# Altium PCB 电机驱动部分参考布局.PcbDoc (part 1 of 2) (continued)
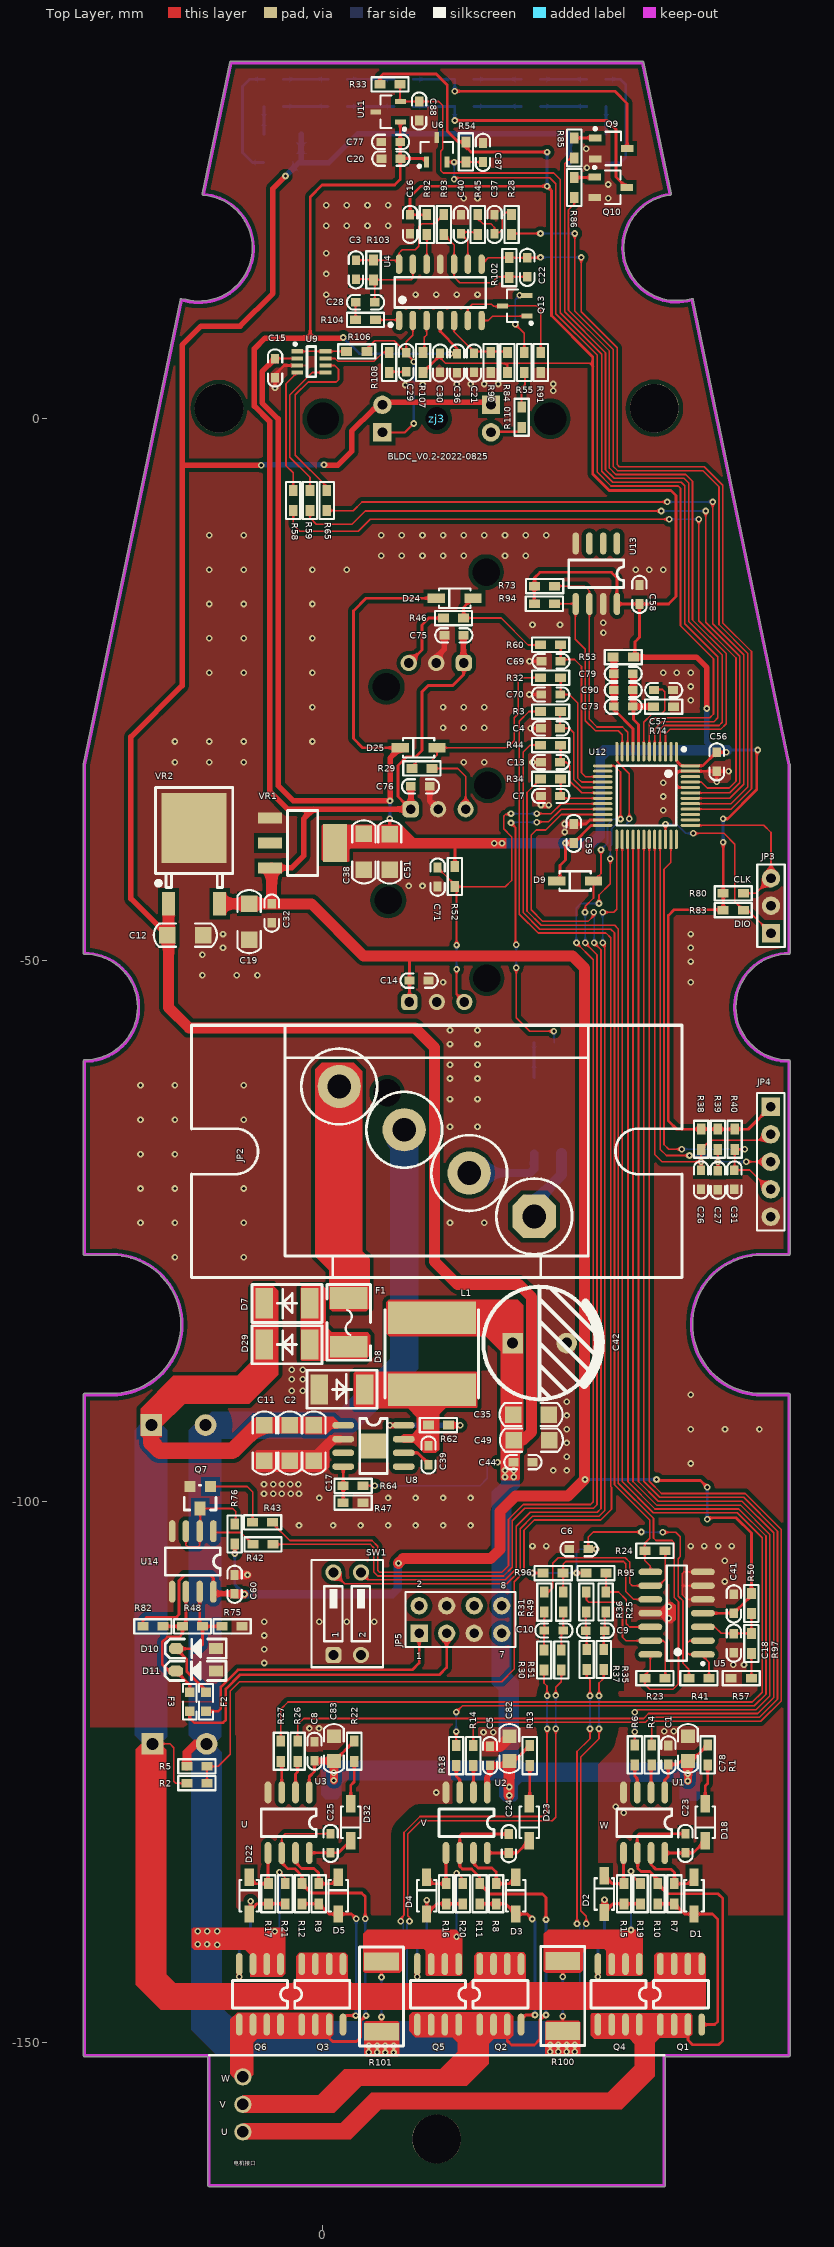
[diagram p0: Top Layer view]
## Footprints (in the part's own frame and the unit in brackets; to place one, negate y for a bottom-side part, rotate by r counter-clockwise, add the part's x,y. Pads: shape width x height; smd on the part's side, far side on the other; paste and mask are expansions set on the pad)
0805_LED_S1 [mm]
  rect 1.16x1.47 smd: A(0.89,0) K(-0.89,0)
  silkscreen extent -2.24,-1.04 1.77,1.03, body extent -1.01,-0.63 1.01,0.62, height 1.1
AQY210S [mm]
  oval 0.9x2 smd: 1(-1.27,-3.5) 2(1.27,-3.5) 3(1.27,3.5) 4(-1.27,3.5)
  silkscreen extent -2.54,-3.32 2.35,2.45
"C 0603" [mil] "无极性贴片电容"
  rect 35x30 smd: 1(-35,0) 2(34,0)
  silkscreen extent -67,-26 67,26, body extent -31,-16 31,16, height 32
"C 0805" [mil] "无极性贴片电容"
  rect 50x50 smd: 1(-45,0) 2(45,0)
  silkscreen extent -89,-36 89,36, body extent -39,-24 39,24, height 20
"C 1206" [mil] "无极性贴片电容"
  rect 60x60 smd: 1(-65,0) 2(65,0)
  silkscreen extent -115,-42 115,42, body extent -63,-32 63,32, height 48
"CAP 5.0*10*12.5 - BK" [mm] "脚距5mm直径10mm高度12.5mm"
  rect 1.9x1.9 hole 1: 1(-2.5,0)
  round 1.9 hole 1: 2(2.5,0)
  silkscreen extent -5.2,-5.21 5.64,5.2, body extent -5,-5 5.01,5, height 12.54
"CAP 5.0*12.5*20-H - BK" [mm] "脚距5mm直径12.5mm高度20mm"
  rect 2x2 hole 1.1: 1(-2.5,0)
  round 2 hole 1.1: 2(2.5,0)
  silkscreen extent -6.35,1.27 6.35,21.84, body extent -6.2,-0.3 6.26,21.91, height 12.5
"FU 0603" [mil] "贴片保险丝"
  rect 35x35 smd: 1(-35,0) 2(35,0)
  silkscreen extent -65,-25 65,25, body extent -31,-16 31,16, height 20
"FU 1812" [mm] "贴片保险丝"
  rect 2x3.5 smd: 1(-2.25,0) 2(2.25,0)
  silkscreen extent -3.5,-2 3.5,2, body extent -2.3,-1.61 2.3,1.61, height 0.87
HDR-1X3 [mm] "排针，3脚"
  rect 1.7x1.7 hole 0.9: 1(0,0)
  round 1.7 hole 0.9: 2(2.54,0) 3(5.08,0)
  silkscreen extent -1.27,-1.27 6.35,1.27, body extent -1.27,-1.27 6.35,1.27, height 8.5
HDR-1X5 [mm] "排针，5脚"
  rect 1.7x1.7 hole 0.9: 1(0,0)
  round 1.7 hole 0.9: 2(2.54,0) 3(5.08,0) 4(7.62,0) 5(10.16,0)
  silkscreen extent -1.27,-1.27 11.43,1.27, body extent -1.27,-1.27 11.43,1.27, height 8.5
HDR-4X2 [mm] "双排排针，4x2脚"
  rect 1.6x1.6 hole 0.9: 1(0,0)
  round 1.6 hole 0.9: 2(0,2.54) 3(2.54,0) 4(2.54,2.54) 5(5.08,0) 6(5.08,2.54) 7(7.62,0) 8(7.62,2.54)
  silkscreen extent -1.27,-1.27 8.89,3.81, body extent -1.27,-1.27 8.89,3.81, height 8.5
HEZJ [mm]
  round 0 hole 2.54: 0(2.06,-8.4) 1(-7.14,2.2)
  rrect50% 1.5x1.5 hole 0.9: 1(0,0)
  round 1.5 hole 0.9: 2(-2.54,0) 3(-5.08,0)
  silkscreen extent -7.84,-9 2.76,2.9
hwzj [mm]
  round 0 hole 3: 5(-10.5,0) 7(10.5,0)
  round 0 hole 2.1: 6(0,0)
KF3P [mm]
  round 1.6 hole 1.05: 1(-2.54,0) 2(0,0) 3(2.54,0)
  silkscreen extent -3.81,-12.8 3.81,-1.5
L8040 [mm]
  rect 3.024x8.12 smd: 1(3.328,0) 2(-3.328,0)
  silkscreen extent -4.08,-4.32 4.08,4.32
"LED 3MM-Y" [mm] "黄色3mm直插LED"
  rect 1.7x1.7 hole 0.9: 1(-1.27,0)
  round 1.7 hole 0.9: 2(1.27,0)
  silkscreen extent -2.01,-2 1.72,1.98, body extent -1.95,-1.95 1.64,1.95, height 5.55
LQFP-48_7x7x05P [mm]
  oval 0.28x1.8 smd mask+0.051: 1(-2.75,-4.05) 2(-2.25,-4.05) 3(-1.75,-4.05) 4(-1.25,-4.05) 5(-0.75,-4.05) 6(-0.25,-4.05) 7(0.25,-4.05) 8(0.75,-4.05) 9(1.25,-4.05) 10(1.75,-4.05) 11(2.25,-4.05) 12(2.75,-4.05) 25(2.75,4.05) 26(2.25,4.05) 27(1.75,4.05) 28(1.25,4.05) 29(0.75,4.05) 30(0.25,4.05) 31(-0.25,4.05) 32(-0.75,4.05) 33(-1.25,4.05) 34(-1.75,4.05) 35(-2.25,4.05) 36(-2.75,4.05)
  oval 1.8x0.28 smd mask+0.051: 13(4.05,-2.75) 14(4.05,-2.25) 15(4.05,-1.75) 16(4.05,-1.25) 17(4.05,-0.75) 18(4.05,-0.25) 19(4.05,0.25) 20(4.05,0.75) 21(4.05,1.25) 22(4.05,1.75) 23(4.05,2.25) 24(4.05,2.75) 37(-4.05,2.75) 38(-4.05,2.25) 39(-4.05,1.75) 40(-4.05,1.25) 41(-4.05,0.75) 42(-4.05,0.25) 43(-4.05,-0.25) 44(-4.05,-0.75) 45(-4.05,-1.25) 46(-4.05,-1.75) 47(-4.05,-2.25) 48(-4.05,-2.75)
  silkscreen extent -3.6,-4.42 2.75,2.75, body extent -4.5,-4.5 4.5,4.5, height 1.6
"R 0603" [mil] "1/10W贴片电阻"
  rect 40x31.5 smd: 1(-36.5,0) 2(36.5,0)
  silkscreen extent -68,-26 68,26, body extent -31,-16 32,16, height 16
"R 1206"#1 [mil] "1/4W贴片电阻"
  rect 60x62.99 smd: 1(-67.5,0) 2(67.5,0)
  silkscreen extent -112,-44 112,44, body extent -63,-31 63,31, height 22
"R 1206"#2 [mil] "1/4W贴片电阻"
  rect 60x63 smd: 1(-67.5,0) 2(67.5,0)
  silkscreen extent -112,-44 112,44, body extent -63,-31 63,31, height 22
"R 2512-HP" [mm] "1W高精度贴片电阻"
  rect 1.65x3.2 smd: 1(-3.24,0) 2(3.24,0)
  silkscreen extent -4.57,-2.03 4.57,2.03, body extent -3.2,-1.6 3.2,1.6, height 0.55
SMA [mil] "DO-214AC(2010)"
  rect 63x110 smd: 1(-8,0) 2(157,0)
  silkscreen extent -53,-68 202,70, body extent -16,-53 166,53, height 94
SOD123 [mm] "1206"
  rect 1.6x0.85 smd: 1(1.7,0) 2(-1.7,0)
  silkscreen extent -1.45,-0.9 1.45,0.9, body extent -1.9,-0.85 1.95,0.85, height 1.42
SOD-123F [mm] "2.7x1.6X1.1mm（长宽高，不包括引脚）"
  rect 1.3x1 smd: 1(-1.85,0)
  oct 1.3x1 smd: 2(1.85,0)
  silkscreen extent -2.79,-0.89 2.84,0.89, body extent -1.9,-0.8 1.9,0.8, height 1.15
SOIC14 [mm]
  oval 2.2x0.6 smd: 1(-2.425,3.81) 2(-2.425,2.54) 3(-2.425,1.27) 4(-2.425,0) 5(-2.425,-1.27) 6(-2.425,-2.54) 7(-2.425,-3.81) 8(2.425,-3.81) 9(2.425,-2.54) 10(2.425,-1.27) 11(2.425,0) 12(2.425,1.27) 13(2.425,2.54) 14(2.425,3.81)
  silkscreen extent -2.55,-4.4 0.93,4.78, body extent -2.9,-4.24 2.9,4.29, height 1.75
SOIC-14_150mil [mm]
  oval 0.6x1.8 smd: 1(-3.81,-2.6) 2(-2.54,-2.6) 3(-1.27,-2.6) 4(0,-2.6) 5(1.27,-2.6) 6(2.54,-2.6) 7(3.81,-2.6) 8(3.81,2.6) 9(2.54,2.6) 10(1.27,2.6) 11(0,2.6) 12(-1.27,2.6) 13(-2.54,2.6) 14(-3.81,2.6)
  silkscreen extent -4.75,-3.15 4.2,1.4
SOP8 [mil]
  oval 80x24 smd: 1(-1,-1) 2(-1,-51) 3(-1,-101) 4(-1,-151) 5(219,-151) 6(219,-101) 7(219,-51) 8(219,-1)
  silkscreen extent 59,-176 159,24, body extent -9,-174 229,24, height 63
SOP8-9 [mil]
  oval 80x24 smd: 1(-15,35) 2(-15,-15) 3(-15,-65) 4(-15,-115) 5(205,-115) 6(205,-65) 7(205,-15) 8(205,35)
  rect 90.55x90.55 smd: 9(95,-40)
  silkscreen extent 45,-140 145,60, body extent -24,-139 214,59, height 63
SOT23-3L [mm] "3x1.3x1mm(长宽高)"
  rect 0.45x1 smd: 1(-0.95,-1.143) 2(0.95,-1.143) 3(0,1.125)
  silkscreen extent -1.72,-1.65 1.5,0.7, body extent -1.5,-1.2 1.5,1.2, height 1.05
SOT-23 [mil]
  rect 40x40 smd: 1(4.88,0.63) 2(79.88,0.63)
  rect 40x50 smd: 3(41.88,80.63)
  silkscreen extent -15,-4 100,86, body extent -15,-11 99,99, height 47
SOT-23-3L [mm] "http://www.aosmd.com/res/packaging_information/SOT-23-3L.pdf"
  rect 1.15x0.65 smd: 1(1.475,-0.95) 2(1.475,0.95) 3(-1.475,0)
  silkscreen extent -0.9,-1.95 1.6,1.55, body extent -0.9,-1.55 0.9,1.55, height 1.25
SOT-23-8 [mm]
  rect 1.1x0.4 smd mask+0.051: 1(1.3,-0.975) 2(1.3,-0.325) 3(1.3,0.325) 4(1.3,0.975) 5(-1.3,0.975) 6(-1.3,0.325) 7(-1.3,-0.325) 8(-1.3,-0.975)
  silkscreen extent -0.4,-1.77 1.62,1.37
SOT-223 [mm]
  rect 2.2x1 smd: 1(3,-2.3) 2(3,0) 3(3,2.3)
  rect 2.2x3.5 smd: 2(-3,0)
  silkscreen extent -1.4,-3 1.4,3, body extent -3.49,-3.24 3.49,3.24, height 1.64
SW-2P [mm]
  rrect50% 1.5x1.5 hole 0.9: 1(-1.27,-3.81)
  round 1.5 hole 0.9: 2(1.27,-3.81) 3(1.27,3.81) 4(-1.27,3.81)
  silkscreen extent -3.3,-4.95 3.3,4.95, body extent -3.27,-4.95 3.27,4.95, height 6.8
TO-252-2-180 [mm] "180度编带包装"
  rect 2.2x1.2 smd: 1(0,2.361) 3(0.004,-2.361)
  rect 6.5x6 smd: 2(7,0)
  silkscreen extent 1.5,-3.57 10.75,3.57, body extent -0.2,-3.27 9.74,3.27, height 2.44
大电流4P [mm]
  oct 4x4 hole 2.2: 1(0,0)
  round 4 hole 2.2: 2(6,-4) 3(12,-8) 4(18,-12)
  silkscreen extent -13.65,-17.67 31.65,5.65

## Part data
C1 C4 C5 C6 C7 C8 C9 C10 C13 C18 C26 C27 C31 C32 C37 C38 C39 C40 C41 C73 C78 C79 C82 C83 C90: library part Cap
C2 C11 C12 C19 C23 C24 C25 C49 C51: library part Cap, "C89632"
C3 C15 C21 C22 C28 C29 C30 C36: library part C, "贴片电容"
C14 C16 C20 C56 C57 C58 C59 C60 C69 C70 C71 C75 C76 C77 C87 C88: library part Cap, "Capacitor"
C17: library part Cap, "C1945"
C33 C34: library part "Cap Pol1", "Polarized Capacitor (Radial)"
C35: library part Cap, "C1926"
C42: library part "Cap Pol1", "C106715"
C44: library part Cap, "C1591"
D1 D2 D3 D4 D5 D9 D18 D22 D23 D24 D25 D32: library part "SOD-323 1N4148WS T4", "二极管"
D6 D14 D17 D19 D20 D21: library part "0805 红灯", "发光二极管"
D7 D8 D29: library part 1N4148, "高速开关二极管"
D10 D11: library part "SMB/DO-214AA P6SMB6.8CA", "TVS"
D12 D13 D15 D16 D33 D34: library part "0805 翠绿", "发光二极管"
D27 D28: library part "0603 红灯", "发光二极管"
F1: library part FU, "贴片保险丝"
F2 F3: "Fuse"
JP1 JP3 zj1 zj2 zj3 zj4: library part "Header 3", "3P接插件"
JP2: library part "Header 4", "4P接插件"
JP4: library part "Header 5", "5P接插件"
JP5: "4*2P接插件"
L1: library part "0603 10uH 10%", "C223045"
Q1 Q2 Q3 Q4 Q5 Q6: library part NMOS-2, "C190848"
Q7: library part "SOT-23 SS8050 Y1", "三极管"
Q9 Q10: library part "AO3400A N道沟 X0YV1T SOT-23", "MOS(场效应管)"
Q13: library part 44H11, "互补功率-NPN型"
R1 R2 R3 R4 R5 R6 R7 R8 R9 R10 R11 R12 R13 R14 R15 R16 R17 R18 R19 R20 R21 R22 R23 R24 R25 R26 R27 R28 R29 R30 R31 R32 R33 R34 R35 R36 R37 R38 R39 R40 R41 R42 R43 R44 R45 R46 R47 R48 R49 R50 R51 R52 R53 R54 R55 R56 R57 R58 R59 R60 R61 R62 R63 R64 R65 R69 R70 R72 R73 R74 R75 R76 R80 R82 R83 R84 R85 R86 R90 R91 R92 R93 R94 R95 R96 R97 R102 R103 R104 R106 R107 R108 R110: library part Res1, "Resistor"
R100 R101: library part R-I, "电流检测电阻"
SW1: "2路编码开关"
U1 U2 U3: library part NCP5106BDR2G, "C193777"
U4 U5: library part LM324DT_[C71035], "运放"
U7: library part EL357N(B)(TA)-G_[C6649], "贴片光耦"
VR1: library part "SOT-223 AMS1117-3.3", "低压差线性稳压(LDO)"
VR2: library part "TO-252-2 L78M05ABDT-TR", "低压差线性稳压(LDO)"

## Free pads (board coordinates)
  round 4.5 hole 4.5: 0(-9.6,0.96) 0(10.5,-158.87) 0(30.6,0.96)

## Via types
v1: diameter 0.61, hole 0.305, Top Layer to Bottom Layer, 366 vias

## Nets (pads, with @x,y where several pads share a name; then routed paths per layer and width w, separated by ;. In a path a pad name is that pad's centre, name@x,y a point inside that pad or via, vN(x,y) a via of type N, cw(c..) or ccw(c..) an arc to the next point about the centre after c; other vN are vias at no path point)
+1.65V: C6.2 R41.1 R95.1 R96.1 | length 34.3
  Top Layer w0.152: v1(19.345,-106.604) 20.221,-106.604 20.285,-106.541 R96.1@20.323,-106.579 ; v1(23.409,-106.604) R95.1@24.285,-106.604 R95.1@24.298,-106.591 ; v1(25.212,-104.394) C6.2@24.501,-104.394 24.501,-103.277 24.958,-102.82 v1(29.403,-102.82) ; v1(31.385,-102.845) 32.578,-102.845 32.997,-103.264 32.997,-105.083 32.807,-105.273 32.807,-108.738 33.239,-109.17 33.239,-114.948 33.785,-115.494 R41.1@33.785,-116.307
  Bottom Layer w0.152: v1(19.345,-106.604) v1(23.409,-106.604) 23.409,-104.648 23.663,-104.394 v1(25.212,-104.394) v1@25.212,-104.42 ; v1(29.403,-102.82) 29.429,-102.845 v1(31.385,-102.845) 31.385,-103.023 v1@31.359,-103.048
+3.3V: C15.2 C16.1 C30.1 C38.2 C51.2 C56.1 C58.1 C59.1 D9.2 D24.2 D25.2 JP4.1 R33.1 R38.1 R39.1 R40.1 R52.2 R53.1 R54.1 R73.1 R80.2 R83.2 R84.1 R92.2 R94.1 R107.1 U9.2 U12.1 U12.24 U12.48 U13.8 VR1.2 | length 301.2
  Top Layer w0.152: C15.2@-4.429,5.537 -4.409,5.557 U9.2@-2.377,5.557 ; C16.1@8.042,18.822 9.554,18.822 R92.2@9.591,18.859 ; C30.1@10.811,6.019 10.811,5.829 10.811,5.613 11.319,5.105 16.805,5.105 ; R84.1@17.034,4.254 17.034,4.876 16.805,5.105 ; 24.908,4.851 24.654,5.105 16.805,5.105
  Top Layer w0.254: R33.1@5.261,30.861 5.261,31.534 5.553,31.826 10.455,31.826 11.471,30.81 11.471,26.568 12.474,25.565 R54.1@13.198,25.565 13.198,25.069 13.655,24.612 v1(20.691,24.612) ; C51.2@6.162,-38.38 v1(6.162,-36.957) ; D25.2@7.129,-30.404 3.673,-30.404 2.81,-29.541 2.81,-17.755 3.978,-16.587 D24.2@10.457,-16.587 ; C16.1@8.042,18.822 8.042,20.472 9.033,21.463 v1(20.691,21.463) 21.098,21.056 21.098,9.509 24.908,5.699 24.908,4.851 24.908,-5.105 26.432,-6.63 32.121,-6.63 32.604,-7.112 32.604,-16.434 31.918,-17.12 C58.1@29.226,-17.12 ; R107.1@9.236,4.254 C30.1@10.811,5.829 ; R52.2@12.182,-41.364 12.182,-39.269 12.208,-39.243 ; R94.1@19.51,-17.095 19.51,-15.494 R73.1@19.535,-15.469 19.535,-14.694 20.031,-14.199 26.635,-14.199 27.143,-14.707 U13.8@27.143,-17.12 C58.1@29.226,-17.12 ; D9.2@21.582,-42.698 21.885,-42.395 21.885,-41.25 22.393,-40.742 v1(22.393,-39.193) ; C59.1@23.155,-39.193 24.765,-37.583 U12.24@25.828,-37.583 ; R53.1@28.806,-22.022 28.806,-20.612 29.226,-20.193 C58.1@29.226,-17.12 ; U12.1@32.628,-30.762 32.628,-31.597 33.093,-32.062 U12.48@33.928,-32.062 35.061,-32.062 36.312,-30.811 C56.1@36.363,-30.811 v1(37.252,-30.811) ; v1(36.947,-39.116) 36.96,-39.104 R80.2@36.96,-43.841 36.96,-45.352 32.411,-45.352 31.89,-45.873 31.89,-64.844 32.667,-65.621 R38.1@34.915,-65.621 R39.1@36.465,-65.621 R40.1@38.014,-65.621 39.271,-65.621 JP4.1@41.341,-63.551 ; v1(36.947,-36.957) 37.364,-36.957 40.046,-34.276 40.046,-30.709 v1(40.148,-30.607)
  Top Layer w0.508: C15.2@-4.429,5.537 -5.623,4.343 -5.623,1.447 -4.15,-0.026 -4.15,-33.884 -2.728,-35.306 v1(6.188,-35.306) 6.188,-31.346 D25.2@7.129,-30.404 ; VR1.2@1.111,-39.193 VR1.2@1.133,-39.193 ; v1(22.393,-39.193) C59.1@23.155,-39.193 ; R53.1@28.806,-22.022 34.483,-22.022 35.449,-22.987 v1(35.449,-26.772)
  Top Layer w1.016: VR1.2@1.133,-39.193 VR1.2@1.336,-38.989
  Bottom Layer w0.254: v1(6.162,-36.957) 6.188,-36.932 v1(6.188,-35.306) ; v1(20.691,21.463) v1(20.691,24.612) ; v1(36.947,-39.116) v1(36.947,-36.957) ; v1(37.252,-30.811) 37.455,-30.607 v1(40.148,-30.607)
  Bottom Layer w0.508: v1(35.449,-26.772) 35.449,-29.896 35.957,-30.404
  other v1: 15.814,-39.218 16.526,-39.218
+5V: C14.1 C19.2 C20.1 C32.2 C36.2 C41.2 C60.1 C75.1 C76.1 C77.1 R50.1 R76.1 R82.2 U4.4 U5.4 U6.1 U11.1 U14.8 VR1.3 VR2.3 zj1.1@13,-22.57 zj2.1@8.093,-36.07 zj4.1@7.972,-53.87 | length 319.9
  Top Layer w0.254: R82.2@-16.634,-111.532 -16.634,-111.011 -16.317,-110.694 -13.548,-110.694 -13.294,-110.44 -13.294,-107.315 -12.786,-106.807 -10.398,-106.807 -10.119,-107.087 U14.8@-10.119,-108.331 ; R76.1@-8.162,-103.924 -8.138,-103.948 v1(-8.138,-104.801) ; -1.178,7.442 -1.178,20.472 -0.086,21.564 6.62,21.564 7.128,22.072 C20.1@7.128,24.028 ; U11.1@7.143,27.38 7.143,25.567 C77.1@7.128,25.552 C20.1@7.128,24.028 ; zj4.1@7.972,-53.87 7.991,-53.851 C14.1@7.991,-51.893 7.991,-49.657 8.017,-49.632 ; zj2.1@8.093,-36.07 zj2.1@8.093,-36.07 6.924,-34.9 6.924,-32.03 7.737,-31.217 8.575,-31.217 9.134,-30.658 9.134,-25.223 9.718,-24.638 11.979,-24.638 13,-23.617 zj1.1@13,-22.57 ; U6.1@9.55,23.687 9.209,24.028 C20.1@7.128,24.028 ; U4.4@10.76,8.982 U4.4@10.836,9.058 10.836,8.026 12.385,6.477 C36.2@12.385,6.121 ; v1(11.75,5.994) C36.2@12.385,5.994 ; v1(30.8,-97.968) 30.8,-98.07 34.864,-98.07 v1(35.474,-98.679) ; U5.4@35.08,-110.313 C41.2@37.938,-110.313 39.563,-108.687 R50.1@39.563,-108.496 39.563,-102.922 38.14,-101.499 35.601,-101.499 v1(35.474,-101.626)
  Top Layer w0.508: U14.8@-10.119,-108.509 C60.1@-8.189,-108.509 ; VR1.3@-4.889,-41.493 -2.894,-41.493 -1.762,-40.361 -1.762,-36.932 -0.9,-36.07 ; v1@1.87,7.442 -1.178,7.442 -5.344,7.442 -6.334,6.451 -6.334,1.153 -4.937,-0.244 -4.937,-34.392 -3.259,-36.07 -0.9,-36.07 ; zj2.1@8.093,-36.07 -0.9,-36.07 ; zj2.1@8.118,-36.045 C76.1@8.118,-33.96 ; C75.1@12.97,-20.016 12.97,-22.54 zj1.1@13,-22.57
  Top Layer w0.762: C60.1@-8.163,-108.535 -8.138,-108.56 v1(-7.249,-108.56)
  Top Layer w1.016: VR2.3@-9.536,-44.802 C32.2@-4.734,-44.802 ; C32.2@-4.734,-44.806 C32.2@-4.734,-44.802 ; VR1.3@-4.734,-41.495 C32.2@-4.734,-44.802 ; v1(6.975,-105.715) 6.975,-105.685 7.377,-105.283 15.484,-105.283 16.348,-104.42 16.348,-100.94 17.796,-99.492 22.643,-99.492 24.167,-97.968 24.167,-50.745 23.053,-49.632 8.017,-49.632 3.749,-49.632 -1.081,-44.802 C32.2@-4.734,-44.802
  Bottom Layer w0.254: v1(-8.138,-104.801) -8.138,-107.671 v1(-7.249,-108.56) ; v1(1.87,7.493) 3.368,5.994 v1(11.75,5.994) ; v1(24.196,-97.968) v1(30.8,-97.968) ; v1(35.474,-101.626) v1(35.474,-98.679)
  Bottom Layer w0.762: v1(-7.249,-108.56) 6.416,-108.56 6.899,-108.077 6.899,-105.791 v1(6.975,-105.715)
+12V: C1.1 C5.1 C8.1 C12.2 C35.2 C42.1 C44.2 C49.2 C78.1 C82.1 C83.1 D27.1 D28.2 JP5.7 JP5.8 L1.2 R1.1 R13.1 R22.1 R56.2 R64.1 R69.2 R70.1 R72.1 U1.1 U2.1 U3.1 VR2.1 | length 268.9
  Top Layer w0.152: R64.1@3.711,-98.552 v1(4.791,-98.552) ; v1(16.119,-96.368) C44.2@17.592,-96.368
  Top Layer w0.254: U3.1@-1.268,-126.865 -1.268,-125.414 -0.785,-124.931 C8.1@-0.785,-123.95 ; C83.1@1.004,-123.95 C83.1@1.006,-123.952 1.069,-123.952 R22.1@2.886,-122.135 ; C82.1@17.446,-124.187 R13.1@19.091,-122.542 ; U1.1@31.562,-126.865 31.562,-125.705 31.893,-125.375 C1.1@31.893,-124.283 32.731,-124.283 33.061,-123.952 C78.1@33.696,-123.952 34.04,-123.952 R1.1@35.525,-122.468
  Top Layer w0.508: C12.2@-14.361,-47.702 -17.739,-44.324 -17.739,-29.388 -13.015,-24.664 -13.015,-4.318 v1(-5.699,-4.318) ; -13.017,-4.265 -13.017,6.779 -11.262,8.534 -7.655,8.534 -4.633,11.557 -4.633,21.234 v1(-3.464,22.402) ; C8.1@-0.785,-123.95 C83.1@1.004,-123.95 ; v1(0.092,-4.268) 0.119,-4.268 0.17,-4.318 1.344,-4.318 2.637,-3.025 2.637,-1.164 4.647,0.846 4.74,0.846 5.164,1.27 D28.2@5.487,1.27 5.715,1.498 6.371,1.498 6.381,1.507 15.275,1.507 D27.1@15.512,1.27 ; U2.1@15.165,-126.865 15.165,-125.44 15.421,-125.184 C5.1@15.421,-124.357 16.807,-124.357 17.186,-123.978 C82.1@17.211,-123.952
  Top Layer w0.762: v1(1.006,-125.756) v1(1.006,-125.045) C83.1@1.006,-123.952 ; v1(33.696,-125.807) C78.1@33.696,-123.952
  Top Layer w1.016: VR2.1@-14.258,-44.806 -14.258,-54.383 -12.354,-56.287 8.499,-56.287 10.277,-58.065 10.277,-77.826 12.411,-79.96 18.1,-79.96 19.243,-81.103 19.243,-93.574 18.481,-94.336 C49.2@17.592,-94.336 ; v1(17.186,-127.153) C82.1@17.186,-123.978
  Bottom Layer w0.152: v1(4.791,-98.552) 14.494,-98.552 15.179,-97.867 15.179,-96.622 15.433,-96.368 v1(16.119,-96.368)
  Bottom Layer w0.508: v1(-5.699,-4.318) -5.649,-4.268 v1(0.092,-4.268) ; v1(-3.464,22.402) -2.22,23.647 R69.2@-2.055,23.647 R69.2@-2.004,23.647 ; R56.2@-2.029,26.263 -2.029,23.672 R69.2@-2.004,23.647 ; JP5.8@16.449,-109.579 JP5.8@16.5,-109.63 ; R70.1@22.736,23.622 22.736,26.263 R72.1@22.71,26.289 3.191,26.289 0.549,23.647 R69.2@-2.004,23.647
  other v1: 17.186,-126.365 33.696,-125.121 16.805,-97.74 17.618,-97.74 16.805,-97.13 17.618,-97.13
+60V: C2.2 C11.2 C17.2 C33.1 C34.1 D7.2 D29.2 Q1.5 Q1.6 Q1.7 Q1.8 Q2.5 Q2.6 Q2.7 Q2.8 Q3.5 Q3.6 Q3.7 Q3.8 R2.2 U8.1 | length 24.4
  Top Layer w0.152: C34.1@-15.743,-122.378 -14.132,-122.378 -13.777,-122.733 -13.777,-125.832 -13.599,-126.01 R2.2@-12.57,-126.01
  Top Layer w1.524: C33.1@-15.845,-92.939 -15.845,-94.554 -15.072,-95.327 -8.366,-95.327 -5.979,-92.939 C11.2@-5.42,-92.939 C2.2@-3.058,-92.939 C17.2@-0.848,-92.939
DC+: F1.1 JP2.4
GND: C1.2 C2.1 C4.1 C5.2 C6.1 C7.1 C8.2 C11.1 C12.1 C13.1 C14.2 C15.1 C16.2 C17.1 C18.1 C19.1 C20.2 C21.2 C26.2 C27.2 C30.2 C31.2 C32.1 C35.1 C36.1 C37.1 C38.1 C40.1 C41.1 C42.2 C44.1 C49.1 C51.1 C56.2 C57.2 C58.2 C59.2 C60.2 C69.2 C70.2 C71.2 C75.2 C76.2 C77.2 C78.2 C82.2 C83.2 C87.2 C88.2 D8.1 D10.1 D11.1 JP3.2 JP4.5 JP5.4 JP5.5 Q7.2 Q9.2 Q10.2 R47.2 R57.1 R63.2 R74.1 R75.1 R90.1 R91.1 SW1.1 SW1.2 U1.4 U2.4 U3.4 U4.11 U5.5 U5.6 U5.7 U5.11 U6.3 U7.2 U8.2 U9.3 U11.3 U12.23 U12.44 U12.47 U13.4 U13.7 U14.4 U14.5 VR1.1 VR2.2 zj1.2 zj2.2 zj4.2 | length 39.3
  Top Layer w0.152: JP5.4@11.42,-109.63 JP5.4@11.42,-109.043 ; U5.5@35.08,-109.043 33.615,-109.043 33.163,-108.591 33.163,-107.773 ; U5.6@35.08,-107.773 33.163,-107.773 ; U5.7@35.08,-106.503 33.34,-106.503 33.163,-106.68 33.163,-107.773
  Top Layer w0.254: v1(-4.429,2.844) C15.1@-4.429,3.784 -4.429,4.089 -3.611,4.907 U9.3@-2.377,4.907 ; v1(19.04,-25.477) C70.2@20.158,-25.477 ; v1(19.066,-22.403) C69.2@20.183,-22.403 ; v1(19.167,-28.601) C4.1@20.132,-28.601 ; v1(19.345,-31.725) C13.1@20.132,-31.725 ; v1(22.317,-37.44) C59.2@23.155,-37.44 24.261,-37.44 24.639,-37.062 U12.23@25.828,-37.062 ; U12.44@33.928,-34.062 32.858,-34.062 32.629,-33.833 32.629,-32.817 32.884,-32.562 U12.47@33.928,-32.562 C56.2@36.362,-32.562 ; v1(36.363,-33.528) C56.2@36.363,-32.563 v1(37.455,-32.563)
  Top Layer w0.508: C76.2@9.871,-33.96 9.871,-35.308 zj2.2@10.633,-36.07 ; zj1.2@10.46,-22.57 10.46,-22.043 11.217,-21.286 C75.2@11.217,-20.016 ; C7.1@20.132,-34.849 v1(20.132,-35.687) v1(20.844,-35.687)
  Top Layer w0.762: C60.2@-8.163,-106.782 v1(-6.969,-106.782)
  Top Layer w1.016: C5.2@15.192,-122.606 16.36,-122.606 C82.2@17.186,-121.781
  Bottom Layer w0.254: v1(22.317,-38.177) v1(22.317,-37.44)
  Bottom Layer w0.508: v1(20.844,-35.687) v1@20.869,-35.662
  other v1: 27.778,-128.753 27.041,-128.194 10.455,-126.873 14.824,-121.311 15.713,-121.311 31.512,-121.209 32.401,-121.209 -1.254,-120.955 -0.365,-120.955 37.887,-115.062 38.878,-115.062 -5.42,-114.91 -5.42,-113.64 -5.42,-112.37 -5.42,-111.1 -0.34,-111.1 2.2,-111.1 4.74,-111.1 31.918,-110.77 31.918,-109.703 37.1,-107.392 37.1,-105.461 19.345,-104.115 20.615,-104.115 33.95,-104.115 35.22,-104.115 36.49,-104.115 37.76,-104.115 -2.22,-102.21 0.93,-102.21 3.47,-102.21 6.01,-102.21 8.55,-102.21 11.09,-102.21 13.63,-102.21 -0.34,-99.67 6.01,-99.67 8.55,-99.67 11.09,-99.67 13.63,-99.67 -5.445,-99.289 -4.607,-99.289 -3.82,-99.289 -2.982,-99.289 -2.22,-99.289 -5.445,-98.4 -4.607,-98.4 -3.794,-98.4 -3.032,-98.4 -2.27,-98.4 21.25,-97.13 22.52,-97.13 33.95,-96.495 22.52,-95.86 22.52,-94.59 22.52,-93.32 33.95,-93.32 37.125,-93.32 40.3,-93.32 22.52,-92.05 22.52,-90.78 33.95,-90.145 -2.88,-89.764 -1.864,-89.764 -2.88,-88.723 -1.864,-88.723 -2.88,-87.834 -1.864,-87.834 -13.675,-77.445 -7.325,-77.445 -16.85,-74.27 -13.675,-74.27 -7.325,-74.27 11.725,-74.27 14.9,-74.27 -16.85,-71.095 -13.675,-71.095 -7.325,-71.095 -16.85,-67.92 -13.675,-67.92 11.725,-65.38 14.265,-65.38 -16.85,-64.745 -13.675,-64.745 -7.325,-64.745 11.725,-62.84 14.265,-62.84 -16.85,-61.57 -13.675,-61.57 -7.325,-61.57 11.725,-60.935 14.265,-60.935 11.725,-59.665 14.265,-59.665 11.725,-57.76 14.265,-57.76 11.725,-56.49 14.265,-56.49 11.09,-52.045 33.95,-52.045 -11.135,-51.41 -7.96,-51.41 -6.055,-51.41 33.95,-50.14 -11.135,-49.505 -9.23,-48.87 33.95,-48.87 -9.23,-47.6 33.95,-47.6 7.915,-43.155 9.185,-43.155 31.41,-36.17 31.41,-34.9 31.41,-33.63 -13.675,-31.725 -10.5,-31.725 -7.325,-31.725 12.995,-31.725 14.9,-31.725 -13.675,-29.82 -10.5,-29.82 -7.325,-29.82 -0.975,-29.82 11.09,-28.55 12.995,-28.55 14.9,-28.55 -0.975,-26.645 11.09,-26.645 12.995,-26.645 14.9,-26.645 33.95,-26.01 33.95,-24.74 -10.5,-23.47 -7.325,-23.47 -0.975,-23.47 31.41,-23.47 32.68,-23.47 33.95,-23.47 -10.5,-20.295 -7.325,-20.295 -0.975,-20.295 25.898,-19.762 19.345,-19.025 21.885,-19.025 25.873,-18.847 -10.5,-17.12 -7.325,-17.12 -0.975,-17.12 -10.5,-13.945 -7.325,-13.945 -0.975,-13.945 2.2,-13.945 28.87,-13.945 30.14,-13.945 31.41,-13.945 5.375,-12.675 7.28,-12.675 9.185,-12.675 11.09,-12.675 12.995,-12.675 16.805,-12.675 18.71,-12.675 -10.5,-10.77 -7.325,-10.77 5.375,-10.77 7.28,-10.77 9.185,-10.77 11.09,-10.77 12.995,-10.77 14.9,-10.77 16.805,-10.77 18.71,-10.77 20.615,-10.77 21.25,2.565 7.599,3.103 9.22,3.15 12.36,3.2 13.63,3.2 14.9,3.2 16.17,3.2 21.25,3.2 0.295,11.455 8.55,11.455 10.455,11.455 12.36,11.455 14.265,11.455 0.295,13.36 0.295,15.265 0.295,17.805 2.2,17.805 4.105,17.805 6.01,17.805 0.295,19.71 2.2,19.71 4.105,19.71 6.01,19.71 12.995,20.345 14.265,20.345 26.33,20.345 26.33,21.615 24.374,23.164 24.323,24.917
NetC3_1: C3.1 R93.2 R103.1 U4.14 | length 11.8
  Top Layer w0.152: C3.1@3.038,14.631 6.653,14.631 U4.14@7.026,14.258 7.026,15.29 7.331,15.595 8.525,15.595 8.855,15.925 8.855,17.703 9.134,17.983 10.29,17.983 R93.2@11.166,18.859
NetC3_2: C3.2 C28.2 R103.2 U4.13 | length 8.8
  Top Layer w0.152: C3.2@3.038,12.879 4.599,12.879 R103.2@4.664,12.814 ; C28.2@4.791,10.744 4.791,12.687 R103.2@4.664,12.814 ; U4.13@8.296,14.258 8.296,12.954 8.156,12.814 R103.2@4.664,12.814
NetC4_2: C4.2 R3.2 U12.17 | length 10.3
  Top Layer w0.152: R3.2@21.95,-27.051 21.885,-27.116 C4.2@21.885,-28.601 22.749,-28.601 23.155,-29.007 23.155,-33.33 23.887,-34.062 U12.17@25.828,-34.062
NetC7_2: C7.2 R34.1 U12.19 | length 5.6
  Top Layer w0.152: R34.1@21.95,-33.274 21.95,-34.785 C7.2@21.885,-34.849 22.098,-35.062 U12.19@25.828,-35.062
NetC9_1: C9.1 R36.1 R37.2 | length 3.5
  Top Layer w0.152: R36.1@24.323,-110.211 24.273,-110.262 C9.1@24.273,-111.925 24.349,-112.002 R37.2@24.349,-113.665
NetC9_2: C9.2 R25.1 R35.2 | length 3.5
  Top Layer w0.152: R35.2@25.924,-113.665 25.924,-112.027 C9.2@26.025,-111.925 26.025,-110.287 R25.1@26.101,-110.211
NetC10_1: C10.1 R30.2 R31.1 | length 3.5
  Top Layer w0.152: R30.2@20.412,-113.703 20.412,-111.938 C10.1@20.437,-111.913 R31.1@20.437,-110.224
NetC10_2: C10.2 R49.1 R51.2 | length 3.6
  Top Layer w0.152: R51.2@22.012,-113.703 22.012,-112.091 C10.2@22.19,-111.913 R49.1@22.19,-110.224
NetC13_2: C13.2 R44.1 U12.18 | length 7.6
  Top Layer w0.152: R44.1@21.95,-30.15 21.95,-31.66 C13.2@21.885,-31.725 22.469,-31.725 22.799,-32.055 22.799,-33.478 23.884,-34.562 U12.18@25.828,-34.562
NetC18_2: C18.2 R50.2 R97.2 U5.3 | length 6.6
  Top Layer w0.152: U5.3@35.08,-111.583 36.185,-111.583 36.782,-112.179 R97.2@39.563,-112.179 R50.2@39.563,-110.351
NetC21_1: C21.1 R84.2 R90.2 U4.5 | length 6.8
  Top Layer w0.152: U4.5@12.106,9.058 12.106,8.026 13.935,6.197 16.945,6.197 R84.2@17.034,6.108 ; R90.2@15.676,6.071 R90.2@15.713,6.108
NetC22_1: C22.1 R102.1 U4.8 U12.40 | length 76
  Top Layer w0.152: U4.8@14.646,14.258 14.655,14.258 15.256,14.859 C22.1@18.862,14.859 20.056,14.859 v1(20.082,14.884) ; v1@23.612,14.884 v1(23.841,14.884) 23.841,9.855 27.161,6.534 27.161,-4.235 27.371,-4.445 35.215,-4.445 36.922,-6.152 36.922,-18.87 39.563,-21.512 39.563,-34.184 37.685,-36.062 U12.40@33.928,-36.062
  Bottom Layer w0.152: v1@20.31,14.884 v1(23.841,14.884)
NetC22_2: C22.2 R93.1 R102.2 U4.10 | length 11.5
  Top Layer w0.152: R93.1@11.166,17.005 12.106,16.065 U4.10@12.106,14.258 12.106,13.081 12.639,12.547 15.586,12.547 16.145,13.106 C22.2@18.862,13.106
NetC23_1: C23.1 JP1.3 Q1.1 Q1.2 Q1.3 Q4.5 Q4.6 Q4.7 Q4.8 R10.1 U1.6 | length 34.9
  Top Layer w0.254: C23.1@33.467,-130.683 29.251,-130.683 29.022,-130.912 U1.6@29.022,-132.453 29.073,-132.504 29.073,-133.884 29.365,-134.176 30.203,-134.176 30.902,-134.874 R10.1@30.902,-135.293 31.829,-136.221 36.465,-136.221 36.922,-136.678 36.922,-149.784 36.541,-150.165 34.128,-150.165 33.696,-149.733 Q1.3@33.696,-148.303
NetC23_2: C23.2 D18.2 U1.8 | length 4.2
  Top Layer w0.254: U1.8@31.562,-132.453 34.16,-132.453 D18.2@35.296,-131.317
NetC24_1: C24.1 JP1.2 Q2.1 Q2.2 Q2.3 Q5.5 Q5.6 Q5.7 Q5.8 R11.1 U2.6 | length 35.3
  Top Layer w0.254: Q2.3@17.019,-148.303 17.019,-149.795 17.415,-150.191 19.523,-150.191 20.005,-149.708 20.005,-147.905 20.488,-147.422 v1(20.59,-147.422) ; C24.1@17.161,-130.709 12.817,-130.709 12.625,-130.901 U2.6@12.625,-132.453 12.625,-133.692 12.868,-133.935 13.732,-133.935 14.468,-134.671 R11.1@14.468,-135.293 15.421,-136.246 20.259,-136.246 20.59,-136.576 v1(20.59,-138.608)
  Bottom Layer w0.254: v1(20.59,-147.422) v1@20.59,-147.32 ; v1@20.59,-147.371 v1@20.59,-147.32 ; v1(20.59,-138.608) v1@20.59,-147.32